# Altium PCB AX7021B.PcbDoc (part 5 of 6) (continued)
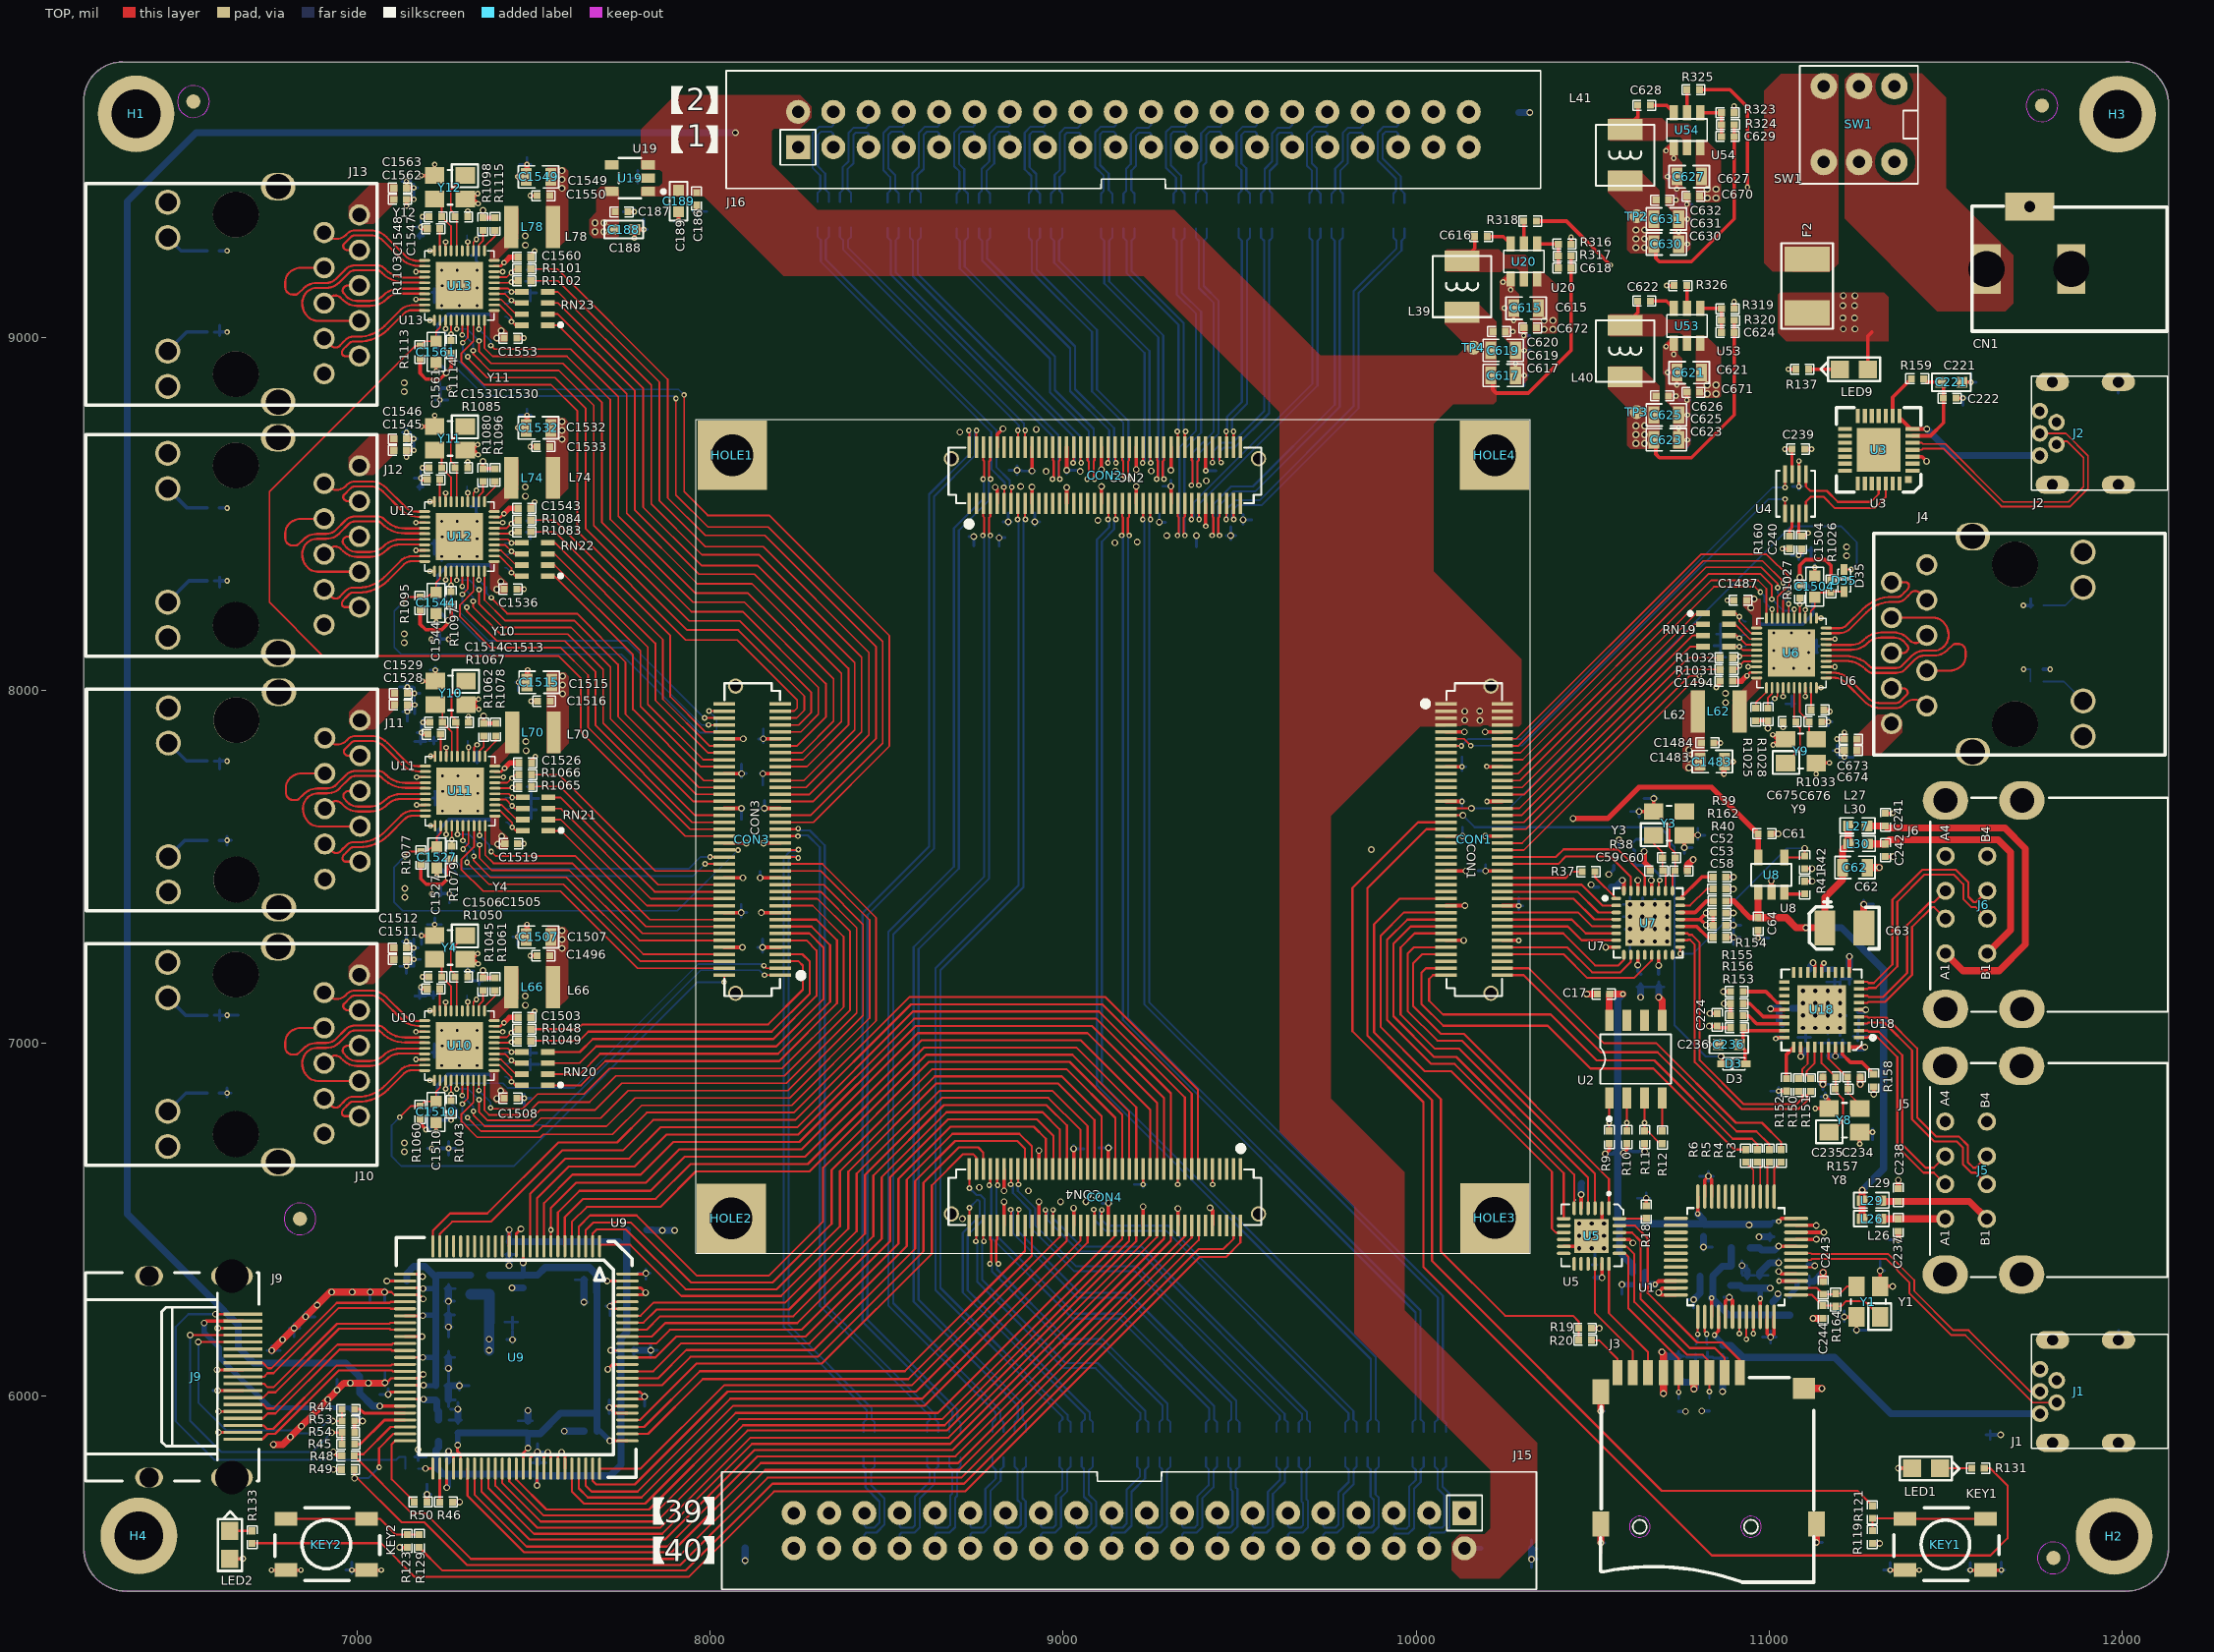
[diagram p0: TOP view]
## Nets (pads, with @x,y where several pads share a name; then routed paths per layer and width w, separated by ;. In a path a pad name is that pad's centre, name@x,y a point inside that pad or via, vN(x,y) a via of type N, cw(c..) or ccw(c..) an arc to the next point about the centre after c; other vN are vias at no path point) (continued)
PHY4_AVDD33: C1539.1 C1540.1 L75.2 U12.11 U12.40 | length 25.8
  TOP w7.5: v1(7206.18,8337.31) U12.11@7219.08,8337.31 ; v1(7206.18,8534.16) U12.40@7219.08,8534.16
PHY4_DVDDL: C1532.1 C1533.1 C1536.1 L74.2 L76.1 U12.21
  other v3: 7395.7,8285.88 7407.29,8308.1 7580.39,8710.97 7580.39,8735.97 7580.39,8760.97
PHY4_ENB_LDO: R1080.1 U12.32 | length 62.4
  TOP w5: U12.32@7345.06,8534.16 7345.06,8550.33 7356.55,8561.82 R1080.1@7356.55,8591.8
PHY4_ETH_RXD2: RN22.7 U12.23 | length 96
  TOP w5: U12.23@7388.37,8396.37 7408.21,8396.37 7449.82,8354.76 RN22.7@7467.12,8354.76
PHY4_INT_N: R1096.2 U12.31 | length 70
  TOP w5: U12.31@7360.81,8534.16 7360.81,8546.4 7390.68,8576.27 R1096.2@7390.68,8591.8
PHY4_IODVDD: C1541.1 C1542.1 L77.2 R1090.2 R1091.2 R1092.2 R1095.2 R1097.2 U12.28 | length 525.7
  TOP w5: U12.28@7388.37,8475.11 v1(7412.48,8475.11)
  TOP w10: R1095.2@7178.44,8228.76 7178.44,8187.24 7194.19,8171.49 7239.87,8171.49 7257.89,8189.51 v3(7257.89,8198.06) 7266.36,8206.53 R1097.2@7266.36,8243.74
  BOTTOM w10: v3(7257.89,8198.06) 7229.26,8226.69 7229.26,8326.07 7257.97,8354.78 7375.86,8354.78 R1092.2@7383.34,8347.3
PHY4_LED1: J12.14 R1081.1 U12.33 | length 1112.5
  TOP w5: U12.33@7329.32,8534.16 7329.32,8558.36 v1(7337.77,8566.81)
  SVCC w5: J12.14@6463.62,8150.03 6498.7,8150.03 6685.4,8336.73 6934.21,8336.73 6984.21,8386.73 7108.81,8386.73 7228.63,8506.55 7294.35,8506.55 7337.77,8549.97 v1(7337.77,8566.81)
  BOTTOM w5: v1(7337.77,8566.81) 7345.75,8574.79 R1081.1@7345.75,8583.19
PHY4_LED2: J12.11 R1082.1 U12.34 | length 998.3
  TOP w5: U12.34@7313.57,8534.16 v1(7313.57,8559.22)
  SVCC w5: J12.11@6463.62,8671.68 6598.35,8536.95 6932.96,8536.95 6979.1,8583.09 7057.91,8583.09 7082.51,8558.49 7214.91,8558.49 7237.14,8536.26 7290.61,8536.26 v1(7313.57,8559.22)
  BOTTOM w5: R1082.1@7311.35,8577.73 7311.35,8561.44 v1(7313.57,8559.22)
PHY4_MDC: CON3.74 U12.13 | length 1027
  TOP w5: v1(7250.58,8313.02) U12.13@7250.58,8337.31 ; v1(7995.84,7902.02) CON3.74@8039.68,7902.02
  BOTTOM w5: v1(7250.58,8313.02) 7250.58,8239.07 7368.88,8120.77 7757.22,8120.77 7975.97,7902.02 v1(7995.84,7902.02)
PHY4_MDI0_N: J12.P3 U12.2 | length 327.9
  TOP w6: 6960.65,8548.06 ccw(c6972.51,8548.06) 6964.13,8539.67 ccw(c6973.33,8548.87) 6973.32,8535.86 J12.P3@7006.53,8535.86 ; 6960.65,8548.08 cw(c6969.19,8548.08) 6963.15,8554.12 6981.47,8572.44 cw(c6994.63,8559.28) 6994.63,8577.89 7037.37,8577.89 cw(c7037.37,8526.61) 7073.63,8562.87 7125.72,8510.78 ccw(c7171.83,8556.89) 7171.83,8491.68 7190.69,8491.68 U12.2@7191.52,8490.85
PHY4_MDI0_P: J12.P2 U12.1 | length 328.8
  TOP w6: J12.P2@6906.53,8585.86 6913.15,8579.24 ccw(c6940.81,8606.9) 6968.47,8579.24 6971.57,8582.34 cw(c6994.63,8559.27) 6994.63,8591.89 7037.38,8591.89 cw(c7037.37,8526.61) 7083.53,8572.77 7135.62,8520.68 ccw(c7171.83,8556.89) 7171.83,8505.68 7190.6,8505.68 U12.1@7191.52,8506.6
PHY4_MDI1_N: J12.P7 U12.5 | length 591
  TOP w6: 6858.52,8418.24 cw(c6886.18,8388.81) 6886.18,8429.2 6913.14,8429.2 ccw(c6913.14,8480.41) 6949.35,8444.2 6976.71,8471.57 cw(c6993.47,8454.8) 6993.47,8478.51 ; 6858.53,8418.23 ccw(c6886.31,8388.92) 6857.64,8417.36 ccw(c6888.78,8386.22) 6844.73,8386.22 6844.73,8385.78 ccw(c6899.4,8385.78) 6860.74,8347.13 ccw(c6887.95,8374.34) 6887.95,8335.86 J12.P7@7006.53,8335.86 ; 6993.48,8478.51 7058.53,8478.51 cw(c7058.53,8466.7) 7066.88,8475.05 7070.54,8471.39 ccw(c7135.53,8536.38) 7135.53,8444.47 7190.66,8444.47 U12.5@7191.52,8443.61
PHY4_MDI1_P: J12.P4 U12.4 | length 591.2
  TOP w6: J12.P4@6906.53,8485.86 6841.78,8485.86 ccw(c6841.78,8437.11) 6807.31,8471.58 ccw(c6833.24,8445.65) 6796.57,8445.65 6796.57,8430.49 ccw(c6815.76,8430.49) 6802.19,8416.92 6802.76,8416.35 ccw(c6817.76,8431.36) 6817.76,8410.14 6825.92,8410.14 ccw(c6825.92,8419.09) 6832.25,8412.76 6848.93,8428.44 cw(c6886.18,8388.81) 6886.18,8443.2 6913.13,8443.2 ccw(c6913.14,8480.41) 6939.45,8454.1 6966.81,8481.47 cw(c6993.47,8454.8) 6993.47,8492.51 ; 6993.48,8492.51 7058.54,8492.51 cw(c7058.53,8466.7) 7076.78,8484.95 7080.44,8481.29 ccw(c7135.53,8536.38) 7135.53,8458.47 7190.63,8458.47 U12.4@7191.52,8459.36
PHY4_MDI2_N: J12.P6 U12.7 | length 311.4
  TOP w6: J12.P6@6906.53,8385.86 6921.2,8400.53 cw(c6937.65,8384.08) 6954.11,8400.53 6960.4,8394.24 ccw(c6999.73,8433.57) 6999.73,8377.95 7035.98,8377.95 ccw(c7035.98,8446.4) 7084.38,8398 cw(c7120.5,8361.88) 7120.5,8412.96 7190.67,8412.96 U12.7@7191.52,8412.11
PHY4_MDI2_P: J12.P5 U12.6 | length 310.8
  TOP w6: J12.P5@7006.53,8435.86 6974.02,8435.86 ccw(c6974.02,8421.52) 6963.87,8431.65 6962.5,8430.29 ccw(c6970.87,8421.92) 6961.79,8414.32 6970.3,8404.14 ccw(c6999.73,8433.57) 6999.73,8391.95 7035.97,8391.95 ; 7035.98,8391.95 ccw(c7035.98,8446.4) 7074.48,8407.9 cw(c7120.5,8361.88) 7120.5,8426.96 7190.62,8426.96 U12.6@7191.52,8427.86
PHY4_MDI3_N: J12.P9 U12.10 | length 336.1
  TOP w6: J12.P9@7006.53,8235.86 6965.83,8235.86 cw(c6965.83,8244.84) 6956.85,8244.84 cw(c6972.06,8244.87) 6961.1,8255.42 6969.58,8264.23 6977.89,8272.54 cw(c6988.3,8262.12) 6988.29,8276.85 7004.48,8276.85 ccw(c7004.48,8394.06) 7087.36,8311.18 7133.05,8356.87 cw(c7154.34,8335.58) 7154.34,8365.69 7190.7,8365.69 U12.10@7191.52,8364.87
PHY4_MDI3_P: J12.P8 U12.9 | length 336.7
  TOP w6: J12.P8@6906.53,8285.86 6927.44,8264.94 ccw(c6939.12,8276.62) 6951.02,8265.16 6959.49,8273.95 cw(c6973.76,8259.94) 6959.75,8274.21 6967.99,8282.45 cw(c6988.29,8262.12) 6988.28,8290.85 7004.49,8290.85 ccw(c7004.48,8394.06) 7077.46,8321.08 7123.15,8366.77 cw(c7154.34,8335.58) 7154.34,8379.69 7190.59,8379.69 U12.9@7191.52,8380.62
PHY4_MDIO: CON3.76 R1097.1 U12.14 | length 1016.9
  TOP w5: U12.14@7266.32,8337.31 v1(7266.32,8297.84) 7266.36,8297.8 R1097.1@7266.36,8279.74 ; v1(7984.13,7921.71) CON3.76@8039.68,7921.71
  BOTTOM w5: v1(7266.32,8297.84) 7266.32,8246.4 7372.26,8140.46 7765.38,8140.46 v1(7984.13,7921.71)
PHY4_REGOUT: L74.1 U12.30
PHY4_RESET: C1544.1 CON3.78 R1095.1 U12.12 | length 1428.9
  TOP w5: v1(7125.98,8245.51) 7145.23,8264.76 R1095.1@7178.44,8264.76 7200.36,8264.76 7213.48,8277.88 C1544.1@7223.95,8277.88 7223.95,8305.88 7234.83,8316.76 U12.12@7234.83,8337.31 ; v1(7996.81,7941.39) CON3.78@8039.68,7941.39
  BOTTOM w5: v1(7125.98,8245.51) 7105.36,8224.89 7105.36,8121.65 7124.53,8102.48 7749.01,8102.48 7971.49,7880 8009.71,7880 8018.3,7888.59 8018.3,7919.9 v1(7996.81,7941.39)
PHY4_RSET: R1085.2 U12.39 | length 62.6
  TOP w6: R1085.2@7234.45,8596.64 7234.57,8596.52 7234.57,8534.42 U12.39@7234.83,8534.16
PHY4_RXC_ADR1: R1084.1 R1093.2 U12.27 | length 99.3
  TOP w5: U12.27@7388.37,8459.36 7423.74,8459.36 v1(7436.58,8472.2) 7446.78,8482.4 R1084.1@7456.41,8482.4
  BOTTOM w5: v1(7436.58,8472.2) 7444.74,8480.36 R1093.2@7454.87,8480.36
PHY4_RXCK: CON3.72 R1084.2 | length 897.2
  TOP w5: R1084.2@7492.41,8482.4 7559.61,8482.4 7887.23,8154.78 7887.23,7981.79 7986.68,7882.34 CON3.72@8039.68,7882.34
PHY4_RXCTL: CON3.68 R1083.2 | length 897.4
  TOP w5: R1083.2@7492.41,8449.08 7561.01,8449.08 7866.07,8144.02 7866.07,7974.95 7998.05,7842.97 CON3.68@8039.68,7842.97
PHY4_RXCTL_ADR2: R1083.1 R1094.2 U12.26 | length 88.4
  TOP w5: U12.26@7388.37,8443.61 7435.45,8443.61 v1(7437.57,8445.73) 7440.92,8449.08 R1083.1@7456.41,8449.08
  BOTTOM w5: v1(7437.57,8445.73) 7439.56,8447.72 R1094.2@7454.87,8447.72
PHY4_RXD0: CON3.66 RN22.4 | length 840
  TOP w5: RN22.4@7540.27,8417.75 7560.41,8417.75 7844.91,8133.25 7844.91,7972.11 7993.7,7823.32 8039.64,7823.32 CON3.66@8039.68,7823.28
PHY4_RXD0_RXDLY: R1089.2 R1090.1 RN22.5 U12.25 | length 120.3
  TOP w5: U12.25@7388.37,8427.86 7427.47,8427.86 v1(7437.58,8417.75) RN22.5@7467.12,8417.75
  BOTTOM w5: R1090.1@7418.93,8417 7436.83,8417 v1(7437.58,8417.75) 7440.25,8415.08 R1089.2@7454.87,8415.08
PHY4_RXD1: CON3.64 RN22.3 | length 835.8
  TOP w5: RN22.3@7540.27,8386.25 7559.99,8386.25 7823.75,8122.49 7823.75,7960.27 7980.42,7803.6 CON3.64@8039.68,7803.6
PHY4_RXD1_TXDLY: R1088.2 R1091.1 RN22.6 U12.24 | length 134
  TOP w5: U12.24@7388.37,8412.11 7418.91,8412.11 v1(7437.31,8393.71) 7444.77,8386.25 RN22.6@7467.12,8386.25
  BOTTOM w5: R1091.1@7418.93,8384.18 7427.78,8384.18 v1(7437.31,8393.71) 7448.58,8382.44 R1088.2@7454.87,8382.44
PHY4_RXD2: CON3.62 RN22.2 | length 828
  TOP w5: RN22.2@7540.27,8354.76 7559.57,8354.76 7802.59,8111.74 7802.59,7954.43 7972.7,7784.32 8039.27,7784.32 CON3.62@8039.68,7783.91
PHY4_RXD3: CON3.58 RN22.1 | length 830
  TOP w5: RN22.1@7540.27,8323.26 7559.14,8323.26 7781.43,8100.97 7781.43,7945.77 7982.66,7744.54 CON3.58@8039.68,7744.54
PHY4_RXD3_ADR0: R1092.1 RN22.8 U12.22 | length 133.9
  TOP w5: U12.22@7388.37,8380.62 7402.97,8380.62 7437.44,8346.15 v1(7437.44,8333.3) 7447.48,8323.26 RN22.8@7467.12,8323.26
  BOTTOM w5: R1092.1@7419.34,8347.3 7423.44,8347.3 v1(7437.44,8333.3)
PHY4_TXCK: CON3.54 U12.20 | length 1074.7
  TOP w5: U12.20@7360.81,8337.31 7360.81,8256 7418.92,8197.89 7614.7,8197.89 7739.11,8073.48 7739.11,7926.1 7959.89,7705.32 8039.53,7705.32 CON3.54@8039.68,7705.17
PHY4_TXCTL: CON3.56 U12.19 | length 1057.9
  TOP w5: v1(7345.06,8312.81) U12.19@7345.06,8337.31 ; v1(7380.14,8262.52) 7425.23,8217.43 7622.8,8217.43 7760.27,8079.96 7760.27,7932.58 7967.99,7724.86 CON3.56@8039.68,7724.86
  BOTTOM w5: v1(7345.06,8312.81) 7366.03,8291.84 7366.03,8276.63 v1(7380.14,8262.52)
PHY4_TXD0: CON3.44 U12.18 | length 1228.4
  TOP w5: U12.18@7329.32,8337.31 7329.32,8279.88 7291.47,8242.03 7291.47,8208.75 7379.42,8120.8 7576.85,8120.8 7654.47,8043.18 7654.47,7895.36 7943.08,7606.75 CON3.44@8039.68,7606.75
PHY4_TXD1: CON3.46 U12.17 | length 1190.2
  TOP w5: v1(7298.15,8271.92) 7313.57,8287.34 U12.17@7313.57,8337.31 ; v1(7310.58,8235.08) 7310.58,8224.74 7395.78,8139.54 7588.51,8139.54 7675.63,8052.42 7675.63,7900.22 7949.42,7626.43 CON3.46@8039.68,7626.43
  BOTTOM w5: v1(7298.15,8271.92) 7298.15,8247.51 v1(7310.58,8235.08)
PHY4_TXD2: CON3.48 U12.16 | length 1158.3
  TOP w5: v1(7297.82,8294.54) U12.16@7297.82,8337.31 ; v1(7328.87,8252.38) 7328.87,8236.25 7405.89,8159.23 7596.67,8159.23 7696.79,8059.11 7696.79,7906.91 7957.58,7646.12 CON3.48@8039.68,7646.12
  BOTTOM w5: v1(7297.82,8294.54) 7328.87,8263.49 v1(7328.87,8252.38)
PHY4_TXD3: CON3.52 U12.15 | length 1151.4
  TOP w5: v1(7282.07,8312.16) U12.15@7282.07,8337.31 ; v1(7345.31,8284.93) 7345.31,8246.17 7413.42,8178.06 7606.48,8178.06 7717.95,8066.59 7717.95,7919.21 7951.67,7685.49 CON3.52@8039.68,7685.49
  BOTTOM w5: v1(7282.07,8312.16) 7318.08,8312.16 v1(7345.31,8284.93)
PHY5_ADVDDL: C1551.1 C1552.1 C1554.1 L80.2 U13.3 U13.8 U13.38 | length 74.4
  TOP w7.48: v1(7166.74,9107.36) U13.8@7191.52,9107.37 ; v1(7166.74,9186.1) U13.3@7191.52,9186.11 ; U13.38@7250.58,9245.16 v1(7250.57,9269.94)
PHY5_AVDD33: C1556.1 C1557.1 L79.2 U13.11 U13.40 | length 25.8
  TOP w7.5: v1(7206.18,9048.31) U13.11@7219.08,9048.31 ; v1(7206.18,9245.16) U13.40@7219.08,9245.16
PHY5_DVDDL: C1549.1 C1550.1 C1553.1 L78.2 L80.1 U13.21
  other v3: 7395.76,8997.85 7407.95,9019.04 7580.39,9421.97 7580.39,9446.97 7580.39,9471.97
PHY5_ENB_LDO: R1098.1 U13.32 | length 62.4
  TOP w5: U13.32@7345.06,9245.16 7345.06,9261.33 7356.55,9272.82 R1098.1@7356.55,9302.8
PHY5_ETH_RXD2: RN23.7 U13.23 | length 96
  TOP w5: U13.23@7388.37,9107.37 7408.21,9107.37 7449.82,9065.76 RN23.7@7467.12,9065.76
PHY5_INT_N: R1115.2 U13.31 | length 70
  TOP w5: U13.31@7360.81,9245.16 7360.81,9257.4 7390.68,9287.27 R1115.2@7390.68,9302.8
PHY5_IODVDD: C1558.1 C1559.1 L81.2 R1108.2 R1109.2 R1110.2 R1113.2 R1114.2 U13.28 | length 531.5
  TOP w5: U13.28@7388.37,9186.11 v1(7412.48,9186.11)
  TOP w10: R1113.2@7178.44,8939.76 7178.44,8898.24 7194.88,8881.8 7235.13,8881.8 v3(7252.59,8899.26) 7266.36,8913.03 R1114.2@7266.36,8954.74
  BOTTOM w10: v3(7252.59,8899.26) 7252.59,8905.88 7229.26,8929.21 7229.26,9037.07 7257.97,9065.78 7375.86,9065.78 R1110.2@7383.34,9058.3
PHY5_LED1: J13.14 R1099.1 U13.33 | length 1109.8
  TOP w5: U13.33@7329.32,9245.16 7329.32,9269.36 v1(7337.77,9277.81)
  SVCC w5: J13.14@6463.62,8861.03 6593.54,8990.95 6713.43,8990.95 6871.39,9148.91 6931.3,9148.91 6976.59,9194.2 7042.55,9194.2 7074.55,9226.2 7298.46,9226.2 7337.77,9265.51 v1(7337.77,9277.81)
  BOTTOM w5: v1(7337.77,9277.81) 7345.75,9285.79 R1099.1@7345.75,9294.19
PHY5_LED2: J13.11 R1100.1 U13.34 | length 978.1
  TOP w5: U13.34@7313.57,9245.16 v1(7313.57,9270.22)
  SVCC w5: J13.11@6463.62,9382.68 6581.87,9264.43 6642.84,9264.43 6659.39,9247.88 6934.03,9247.88 6978.83,9292.68 7291.11,9292.68 v1(7313.57,9270.22)
  BOTTOM w5: R1100.1@7311.35,9288.73 7311.35,9272.44 v1(7313.57,9270.22)
PHY5_MDC: CON3.47 U13.13 | length 2497.9
  TOP w5: v1(7250.58,9024.02) U13.13@7250.58,9048.31 ; v1(7903.23,8826.93) 7903.23,8553.71 7994.09,8462.85 8164.17,8462.85 8488.84,8138.18 8488.84,7850.88 8284.08,7646.12 CON3.47@8199.12,7646.12
  BOTTOM w5: v1(7250.58,9024.02) 7250.58,8944.61 7361.57,8833.62 7896.54,8833.62 v1(7903.23,8826.93)
PHY5_MDI0_N: J13.P3 U13.2 | length 327.9
  TOP w6: 6960.65,9259.06 ccw(c6972.51,9259.06) 6964.13,9250.67 ccw(c6973.33,9259.87) 6973.32,9246.86 J13.P3@7006.53,9246.86 ; 6960.65,9259.08 cw(c6969.19,9259.08) 6963.15,9265.12 6981.47,9283.44 cw(c6994.63,9270.28) 6994.63,9288.89 7037.37,9288.89 cw(c7037.37,9237.61) 7073.63,9273.87 7125.72,9221.78 ccw(c7171.83,9267.89) 7171.83,9202.68 7190.69,9202.68 U13.2@7191.52,9201.85
PHY5_MDI0_P: J13.P2 U13.1 | length 328.8
  TOP w6: J13.P2@6906.53,9296.86 6913.15,9290.24 ccw(c6940.81,9317.9) 6968.47,9290.24 6971.57,9293.34 cw(c6994.63,9270.27) 6994.63,9302.89 7037.38,9302.89 cw(c7037.37,9237.61) 7083.53,9283.77 7135.62,9231.68 ccw(c7171.83,9267.89) 7171.83,9216.68 7190.6,9216.68 U13.1@7191.52,9217.6
PHY5_MDI1_N: J13.P7 U13.5 | length 591
  TOP w6: 6858.52,9129.24 cw(c6886.18,9099.81) 6886.18,9140.2 6913.14,9140.2 ccw(c6913.14,9191.41) 6949.35,9155.2 6976.71,9182.57 cw(c6993.47,9165.8) 6993.47,9189.51 ; 6858.53,9129.23 ccw(c6886.31,9099.92) 6857.64,9128.36 ccw(c6888.78,9097.22) 6844.73,9097.22 6844.73,9096.78 ccw(c6899.4,9096.78) 6860.74,9058.13 ccw(c6887.95,9085.34) 6887.95,9046.86 J13.P7@7006.53,9046.86 ; 6993.48,9189.51 7058.53,9189.51 cw(c7058.53,9177.7) 7066.88,9186.05 7070.54,9182.39 ccw(c7135.53,9247.38) 7135.53,9155.47 7190.66,9155.47 U13.5@7191.52,9154.61
PHY5_MDI1_P: J13.P4 U13.4 | length 591.2
  TOP w6: J13.P4@6906.53,9196.86 6841.78,9196.86 ccw(c6841.78,9148.11) 6807.31,9182.58 ccw(c6833.24,9156.65) 6796.57,9156.65 6796.57,9141.49 ccw(c6815.76,9141.49) 6802.19,9127.92 6802.76,9127.35 ccw(c6817.76,9142.36) 6817.76,9121.14 6825.92,9121.14 ccw(c6825.92,9130.09) 6832.25,9123.76 6848.93,9139.44 cw(c6886.18,9099.81) 6886.18,9154.2 6913.13,9154.2 ccw(c6913.14,9191.41) 6939.45,9165.1 6966.81,9192.47 cw(c6993.47,9165.8) 6993.47,9203.51 ; 6993.48,9203.51 7058.54,9203.51 cw(c7058.53,9177.7) 7076.78,9195.95 7080.44,9192.29 ccw(c7135.53,9247.38) 7135.53,9169.47 7190.63,9169.47 U13.4@7191.52,9170.36
PHY5_MDI2_N: J13.P6 U13.7 | length 311.4
  TOP w6: J13.P6@6906.53,9096.86 6921.2,9111.53 cw(c6937.65,9095.08) 6954.11,9111.53 6960.4,9105.24 ccw(c6999.73,9144.57) 6999.73,9088.95 7035.98,9088.95 ccw(c7035.98,9157.4) 7084.38,9109 cw(c7120.5,9072.88) 7120.5,9123.96 7190.67,9123.96 U13.7@7191.52,9123.11
PHY5_MDI2_P: J13.P5 U13.6 | length 310.8
  TOP w6: J13.P5@7006.53,9146.86 6974.02,9146.86 ccw(c6974.02,9132.52) 6963.87,9142.65 6962.5,9141.29 ccw(c6970.87,9132.92) 6961.79,9125.32 6970.3,9115.14 ccw(c6999.73,9144.57) 6999.73,9102.95 7035.97,9102.95 ; 7035.98,9102.95 ccw(c7035.98,9157.4) 7074.48,9118.9 cw(c7120.5,9072.88) 7120.5,9137.96 7190.62,9137.96 U13.6@7191.52,9138.86
PHY5_MDI3_N: J13.P9 U13.10 | length 336.1
  TOP w6: J13.P9@7006.53,8946.86 6965.83,8946.86 cw(c6965.83,8955.84) 6956.85,8955.84 cw(c6972.06,8955.87) 6961.1,8966.42 6969.58,8975.23 6977.89,8983.54 cw(c6988.3,8973.12) 6988.29,8987.85 7004.48,8987.85 ccw(c7004.48,9105.06) 7087.36,9022.18 7133.05,9067.87 cw(c7154.34,9046.58) 7154.34,9076.69 7190.7,9076.69 U13.10@7191.52,9075.87
PHY5_MDI3_P: J13.P8 U13.9 | length 336.7
  TOP w6: J13.P8@6906.53,8996.86 6927.44,8975.94 ccw(c6939.12,8987.62) 6951.02,8976.16 6959.49,8984.95 cw(c6973.76,8970.94) 6959.75,8985.21 6967.99,8993.45 cw(c6988.29,8973.12) 6988.28,9001.85 7004.49,9001.85 ccw(c7004.48,9105.06) 7077.46,9032.08 7123.15,9077.77 cw(c7154.34,9046.58) 7154.34,9090.69 7190.59,9090.69 U13.9@7191.52,9091.62
PHY5_MDIO: CON3.45 R1114.1 U13.14 | length 2557.1
  TOP w5: U13.14@7266.32,9048.31 v1(7266.32,9008.84) 7266.36,9008.8 R1114.1@7266.36,8990.74 ; v1(7926.45,8836.83) 7926.45,8562.41 7993.1,8495.76 8167.26,8495.76 8507.84,8155.18 8507.84,7841.88 8292.39,7626.43 CON3.45@8199.12,7626.43
  BOTTOM w5: v1(7266.32,9008.84) 7266.32,8953.63 7367.28,8852.67 7910.61,8852.67 v1(7926.45,8836.83)
PHY5_REGOUT: L78.1 U13.30
PHY5_RESET: C1561.1 CON3.42 R1113.1 U13.12 | length 2676.9
  TOP w5: U13.12@7234.83,9048.31 7234.83,9027.76 7223.95,9016.88 C1561.1@7223.95,8988.88 7191.56,8988.88 R1113.1@7178.44,8975.76 7165.05,8975.76 6751.76,8562.47 6751.76,8249.67 6904.21,8097.22 7571.73,8097.22 7633.31,8035.64 7633.31,7883.74 7929.99,7587.06 CON3.42@8039.68,7587.06
PHY5_RSET: R1103.2 U13.39 | length 62.6
  TOP w6: R1103.2@7234.45,9307.64 7234.57,9307.52 7234.57,9245.42 U13.39@7234.83,9245.16
PHY5_RXC_ADR1: R1101.1 R1111.2 U13.27 | length 99.3
  TOP w5: U13.27@7388.37,9170.36 7423.74,9170.36 v1(7436.58,9183.2) 7446.78,9193.4 R1101.1@7456.41,9193.4
  BOTTOM w5: v1(7436.58,9183.2) 7444.74,9191.36 R1111.2@7454.87,9191.36
PHY5_RXCK: CON3.51 R1101.2 | length 2222.5
  TOP w5: R1101.2@7492.41,9193.4 7567.32,9193.4 7879.97,8880.75 7879.97,8545.05 7986.17,8438.85 8155.17,8438.85 8469.84,8124.18 8469.84,7862.88 8292.45,7685.49 CON3.51@8199.12,7685.49
PHY5_RXCTL: CON3.53 R1102.2 | length 2144.4
  TOP w5: R1102.2@7492.41,9160.08 7569.2,9160.08 7856.71,8872.57 7856.71,8536.39 7986.25,8406.85 8150.17,8406.85 8449.84,8107.18 8449.84,7873.88 8281.13,7705.17 CON3.53@8199.12,7705.17
PHY5_RXCTL_ADR2: R1102.1 R1112.2 U13.26 | length 88.4
  TOP w5: U13.26@7388.37,9154.61 7435.45,9154.61 v1(7437.57,9156.73) 7440.92,9160.08 R1102.1@7456.41,9160.08
  BOTTOM w5: v1(7437.57,9156.73) 7439.56,9158.72 R1112.2@7454.87,9158.72
PHY5_RXD0: CON3.55 RN23.4 | length 2021.7
  TOP w5: RN23.4@7540.27,9128.75 7569.11,9128.75 7833.45,8864.41 7833.45,8527.75 7977.35,8383.85 8139.17,8383.85 8429.29,8093.73 8429.29,7882.33 8271.82,7724.86 CON3.55@8199.12,7724.86
PHY5_RXD0_RXDLY: R1106.2 R1109.1 RN23.5 U13.25 | length 120.3
  TOP w5: U13.25@7388.37,9138.86 7427.47,9138.86 v1(7437.58,9128.75) RN23.5@7467.12,9128.75
  BOTTOM w5: R1109.1@7418.93,9128 7436.83,9128 v1(7437.58,9128.75) 7440.25,9126.08 R1106.2@7454.87,9126.08
PHY5_RXD1: CON3.57 RN23.3 | length 1948.6
  TOP w5: RN23.3@7540.27,9097.25 7569.17,9097.25 7810.19,8856.23 7810.19,8519.09 7975.43,8353.85 8134.17,8353.85 8409.34,8078.68 8409.34,7888.38 8265.5,7744.54 CON3.57@8199.12,7744.54
PHY5_RXD1_TXDLY: R1107.2 R1108.1 RN23.6 U13.24 | length 134
  TOP w5: U13.24@7388.37,9123.11 7418.91,9123.11 v1(7437.31,9104.71) 7444.77,9097.25 RN23.6@7467.12,9097.25
  BOTTOM w5: R1108.1@7418.93,9095.18 7427.78,9095.18 v1(7437.31,9104.71) 7448.58,9093.44 R1107.2@7454.87,9093.44
PHY5_RXD2: CON3.61 RN23.2 | length 1866.9
  TOP w5: RN23.2@7540.27,9065.76 7569.21,9065.76 7786.93,8848.04 7786.93,8510.42 7968.5,8328.85 8125.17,8328.85 8391.84,8062.18 8391.84,7901.88 8273.87,7783.91 CON3.61@8199.12,7783.91
PHY5_RXD3: CON3.63 RN23.1 | length 1791.9
  TOP w5: RN23.1@7540.27,9034.26 7569.28,9034.26 7763.67,8839.87 7763.67,8501.77 7963.59,8301.85 8118.17,8301.85 8371.84,8048.18 8371.84,7911.88 8263.56,7803.6 CON3.63@8199.12,7803.6
PHY5_RXD3_ADR0: R1110.1 RN23.8 U13.22 | length 133.9
  TOP w5: U13.22@7388.37,9091.62 7402.97,9091.62 7437.44,9057.15 v1(7437.44,9044.3) 7447.48,9034.26 RN23.8@7467.12,9034.26
  BOTTOM w5: R1110.1@7419.34,9058.3 7423.44,9058.3 v1(7437.44,9044.3)
PHY5_TXCK: CON3.67 U13.20 | length 1895.8
  TOP w5: U13.20@7360.81,9048.31 7360.81,8969.12 7383.59,8946.34 7594.32,8946.34 7717.15,8823.51 7717.15,8484.45 7951.75,8249.85 8097.17,8249.85 8327.84,8019.18 8327.84,7923.88 8246.93,7842.97 CON3.67@8199.12,7842.97
PHY5_TXCTL: CON3.65 U13.19 | length 1953.2
  TOP w5: v1(7345.06,9022.85) U13.19@7345.06,9048.31 ; v1(7379.13,8976.54) 7389.18,8966.49 7605.6,8966.49 7740.41,8831.68 7740.41,8493.1 7957.66,8275.85 8106.17,8275.85 8349.84,8032.18 8349.84,7912.88 8260.24,7823.28 CON3.65@8199.12,7823.28
  BOTTOM w5: v1(7345.06,9022.85) 7379.13,8988.78 v1(7379.13,8976.54)
PHY5_TXD0: CON3.77 U13.18 | length 1753.7
  TOP w5: U13.18@7329.32,9048.31 7329.32,8988.71 7295.71,8955.1 7295.71,8930.46 7360.43,8865.74 7549.16,8865.74 7624.11,8790.79 7624.11,8449.82 7931.08,8142.85 8077.17,8142.85 8246.84,7973.18 8246.84,7949.88 8238.35,7941.39 CON3.77@8199.12,7941.39
PHY5_TXD1: CON3.75 U13.17 | length 1785.4
  TOP w5: v1(7299.24,8984.83) 7313.57,8999.16 U13.17@7313.57,9048.31 ; v1(7313.19,8945.09) 7313.19,8941.53 7368.83,8885.89 7560.45,8885.89 7647.37,8798.97 7647.37,8458.47 7934.99,8170.85 8080.17,8170.85 8266.84,7984.18 8266.84,7943.88 8244.67,7921.71 CON3.75@8199.12,7921.71
  BOTTOM w5: v1(7299.24,8984.83) 7299.24,8959.04 v1(7313.19,8945.09)
PHY5_TXD2: CON3.73 U13.16 | length 1824.5
  TOP w5: v1(7297.77,9006.94) 7297.82,9006.99 U13.16@7297.82,9048.31 ; v1(7329.07,8962.47) 7329.07,8952.23 7375.26,8906.04 7571.75,8906.04 7670.63,8807.16 7670.63,8467.12 7940.9,8196.85 8084.17,8196.85 8286.84,7994.18 8286.84,7937.88 8250.98,7902.02 CON3.73@8199.12,7902.02
  BOTTOM w5: v1(7297.77,9006.94) 7302.41,9006.94 7329.07,8980.28 v1(7329.07,8962.47)
PHY5_TXD3: CON3.71 U13.15 | length 1890.7
  TOP w5: v1(7282.07,9023.6) U13.15@7282.07,9048.31 ; v1(7345.31,8989.92) 7345.31,8960.52 7379.64,8926.19 7583.03,8926.19 7693.89,8815.33 7693.89,8475.79 7946.83,8222.85 8092.17,8222.85 8306.84,8008.18 8306.84,7931.88 8257.3,7882.34 CON3.71@8199.12,7882.34
  BOTTOM w5: v1(7282.07,9023.6) 7311.63,9023.6 v1(7345.31,8989.92)
PL_KEY: CON4.4 R129.2 | length 2761.4
  TOP w6: R129.2@7175.83,5572.4 7241.46,5506.77 7930.15,5506.77 8176.26,5752.88 8719.26,5752.88 9383.7,6417.32 9453.7,6417.32 9482.57,6446.19 CON4.4@9482.57,6484.5
PL_LED: CON4.2 R133.1 | length 3280.3
  TOP w6: R133.1@6702.8,5583.39 6703.81,5584.4 7067.58,5584.4 7163.21,5488.77 7939.15,5488.77 8181.26,5730.88 8722.26,5730.88 9386.7,6395.32 9461.58,6395.32 9502.26,6436 CON4.2@9502.26,6484.5
PS_KEY: CON1.37 R121.2 | length 2958.7
  TOP w6: CON1.37@10084.68,7606.75 10028.97,7606.75 9861.84,7439.62 9861.84,7022.05 10044.93,6838.96 10044.93,6383.8 10695.88,5732.85 11250.09,5732.85 R121.2@11292.62,5690.32
PS_LED: CON1.35 R131.1 | length 3747.5
  TOP w6: CON1.35@10084.68,7626.43 10005.55,7626.43 9819.7,7440.58 9819.7,7034.32 10020.44,6833.58 10020.44,6366.93 10837.6,5549.77 11626.93,5549.77 11675.15,5597.99 11675.15,5747.84 11626.33,5796.66 R131.1@11609.69,5796.66
RGMII_VCC: C187.1 C188.1 L69.1 L73.1 L77.1 L81.1 U19.5
  other v3: 7476.8,7108.19 7476.28,7134.2 7478.79,7829.2 7478.27,7855.21 7476.79,8550.2 7476.27,8576.21 7476.79,9261.2 7476.27,9287.21 7674.31,9299.28 7699.31,9299.28 7674.31,9324.28 7699.31,9324.28
SD_CD: CON1.57 R19.1 R20.2 | length 1765.4
  TOP w6: CON1.57@10084.68,7409.9 9953.12,7409.9 9880.84,7337.62 9880.84,7031.05 10070.01,6841.88 10070.01,6410.49 10252.09,6228.41 10444.68,6228.41 10460.6,6212.49 R19.1@10460.6,6193.03 R20.2@10460.6,6158.98
SD_CLK: CON1.61 U5.9 | length 1324.7
  TOP w6: CON1.61@10084.68,7370.53 9964.75,7370.53 9899.84,7305.62 9899.84,7046.05 10025.04,6920.85 10100.04,6920.85 10384.7,6636.19 10384.7,6475.53 10396.04,6464.19 U5.9@10418.13,6464.19
SD_CMD: CON1.67 U5.4 | length 1144.3
  TOP w6: CON1.67@10084.68,7311.47 9995.69,7311.47 9955.84,7271.62 9955.84,7082.05 10053.04,6984.85 10122.04,6984.85 10487.03,6619.86 U5.4@10487.03,6533.09
SD_D0: CON1.65 U5.6 | length 1167.4
  TOP w6: CON1.65@10084.68,7331.16 9984.38,7331.16 9935.84,7282.62 9935.84,7077.05 10051.04,6961.85 10114.04,6961.85 10447.66,6628.23 U5.6@10447.66,6533.09
SD_D1: CON1.63 U5.7 | length 1226.5
  TOP w6: CON1.63@10084.68,7350.84 9975.06,7350.84 9917.84,7293.62 9917.84,7067.05 10043.04,6941.85 10109.04,6941.85 10418.04,6632.85 10418.04,6503.65 U5.7@10418.13,6503.56
SD_D2: CON1.73 U5.1 | length 1065.2
  TOP w6: CON1.73@10084.68,7252.42 10016.84,7252.42 9991.84,7227.42 9991.84,7105.05 10070.04,7026.85 10135.04,7026.85 10546.08,6615.81 U5.1@10546.08,6533.09
SD_D3: CON1.71 U5.3 | length 1097.6
  TOP w6: CON1.71@10084.68,7272.1 9993.84,7272.1 9975.84,7254.1 9975.84,7092.05 10060.04,7007.85 10129.04,7007.85 10506.71,6630.18 U5.3@10506.71,6533.09
TX_0N: J9.9 U9.33 | length 538.6
  TOP w6: J9.9@6677.23,6036.03 6736.23,6036.03 6746.41,6025.85 6763.24,6025.85 6943.24,6205.85 7091.9,6205.85 7094.93,6208.88 U9.33@7135.84,6208.88
TX_0P: J9.7 U9.34 | length 540.6
  TOP w6: J9.7@6677.23,5996.66 6733.5,5996.66 6748.69,6011.85 6769.04,6011.85 6949.04,6191.85 7092.28,6191.85 7094.93,6189.2 U9.34@7135.84,6189.2
TX_1N: J9.6 U9.36 | length 539.4
  TOP w6: J9.6@6677.23,5976.97 6733.92,5976.97 6745.04,5965.85 6763.24,5965.85 6944.24,6146.85 7098.32,6146.85 7101.3,6149.83 U9.36@7135.84,6149.83
TX_1P: J9.4 U9.37 | length 540.6
  TOP w6: J9.4@6677.23,5937.6 6732.94,5937.6 6747.19,5951.85 6769.04,5951.85 6950.04,6132.85 7095.52,6132.85 7098.23,6130.14 U9.37@7135.84,6130.14
TX_2N: J9.3 U9.39 | length 538.6
  TOP w6: J9.3@6677.23,5917.92 6734.99,5917.92 6745.04,5907.85 6762.24,5907.85 6942.24,6087.85 7096.37,6087.85 7099.3,6090.78 U9.39@7135.84,6090.78
TX_2P: J9.1 U9.40 | length 540.6
  TOP w6: J9.1@6677.23,5878.55 6731.89,5878.55 6747.19,5893.85 6768.04,5893.85 6948.04,6073.85 7097.59,6073.85 7100.35,6071.09 U9.40@7135.84,6071.09
TX_CN: J9.12 U9.30 | length 542.8
  TOP w6: J9.12@6677.23,6095.08 6732.92,6095.08 6748.15,6079.85 6757.24,6079.85 6942.24,6264.85 7091.85,6264.85 7094.94,6267.94 U9.30@7135.84,6267.94
TX_CP: J9.10 U9.31 | length 540.5
  TOP w6: J9.10@6677.23,6055.71 6736.3,6055.71 6746.43,6065.85 6763.04,6065.85 6948.04,6250.85 7092.33,6250.85 7094.93,6248.25 U9.31@7135.84,6248.25
UART_RX: CON1.11 U4.5 | length 1298.2
  TOP w5: CON1.11@10084.68,7862.65 10135.57,7862.65 v1(10154.74,7843.48) ; U4.5@11045.16,8501.24 v1(11045.16,8541.75)
  BOTTOM w5: v1(10154.74,7843.48) 10300.24,7843.48 10998.51,8541.75 v1(11045.16,8541.75)
UART_TX: CON1.13 U4.4 | length 1301.1
  TOP w5: CON1.13@10084.68,7842.97 v1(10128.19,7842.97)
  TOP w6: v1(11045.16,8575.09) U4.4@11045.16,8612.46
  BOTTOM w5: v1(10128.19,7842.97) 10147.59,7862.37 10297.63,7862.37 11010.35,8575.09 v1(11045.16,8575.09)
USB2_5V: C62.1 C63.1 C64.1 L26.2 L27.2 L29.2 L30.2 R40.1 U8.1 | length 1702.1
  TOP w15: R40.1@10877.28,7403.01 10899.77,7403.01 10946.78,7356 C64.1@10968.7,7356
  TOP w20: U8.1@10968.78,7428.26 10968.7,7428.18 C64.1@10968.7,7356 11048.45,7356 11076.6,7327.85 v2(11104.04,7327.85) 11156.92,7327.85 C63.1@11157.92,7326.85 11157.92,7413.24 11208.11,7463.43 C62.1@11208.11,7498.04 11208.11,7548.65 L30.2@11224.74,7565.28 11223.71,7566.31 L27.2@11223.71,7615.77 ; L26.2@11263.32,6502.7 L29.2@11263.32,6554.7 11263.32,6583.97 v2(11263.55,6584.2)
  BOTTOM w20: v2(11104.04,7327.85) 11204.98,7327.85 11324.04,7208.79 11324.04,6644.69 v2(11263.55,6584.2)
USB_5V: C1.1 C2.1 J1.1 U1.40 | length 1074.6
  TOP w10: v1(10845.04,6173.85) 10856.83,6185.64 U1.40@10856.83,6225.5
  BOTTOM w15: v1(10845.04,6173.85) 10868.04,6150.85 C1.1@10868.04,6144.85
  BOTTOM w20: C1.1@10868.04,6144.85 10891.6,6144.85 10925.82,6110.63 11185.81,6110.63 11345.12,5951.32 C2.1@11626.26,5951.32 11767.13,5951.32 J1.1@11767.3,5951.15
USB_DM: R150.2 U18.30 | length 100.2
  TOP w5: R150.2@11083.4,6899.98 11093.5,6910.08 11093.5,6926.36 11109.17,6942.03 U18.30@11109.17,6989.54
USB_DP: R151.2 U18.31 | length 103.6
  TOP w5: R151.2@11117.35,6899.98 11106.19,6911.14 11106.19,6921.1 11128.85,6943.76 U18.31@11128.85,6989.54
USB_VBUS: R40.2 U7.22 | length 106.6
  TOP w10: U7.22@10747.97,7370.86 10790.15,7370.86 10822.3,7403.01 R40.2@10841.28,7403.01
VBUS1: C237.1 J5.A1 L26.1 | length 181.6
  TOP w20: L26.1@11317.32,6502.7 11317.82,6503.2 C237.1@11366.1,6503.2 11498.54,6503.2 J5.A1@11498.69,6503.05
VBUS2: C238.1 J5.B1 L29.1 | length 320.9
  TOP w20: L29.1@11317.32,6554.7 11319.25,6552.77 C238.1@11366.1,6552.77 11567.08,6552.77 J5.B1@11616.8,6503.05
VBUS3: C241.1 J6.A1 L27.1 | length 1024.1
  TOP w20: L27.1@11277.71,7615.77 11277.76,7615.72 C241.1@11329.3,7615.72 11335.17,7609.85 11668.04,7609.85 11726.04,7551.85 11726.04,7280.05 11651.84,7205.85 11548.89,7205.85 J6.A1@11499.69,7255.05

## Text inside footprints (layer, text, board x,y; h text height)
J15: PIN_NUMBER "3" at 10027.04,5669.85 h25 r180; PIN_NUMBER "5" at 9927.04,5669.85 h25 r180; PIN_NUMBER "7" at 9827.04,5669.85 h25 r180; PIN_NUMBER "9" at 9727.04,5669.85 h25 r180; PIN_NUMBER "11" at 9617.04,5669.85 h25 r180; PIN_NUMBER "13" at 9517.04,5669.85 h25 r180; PIN_NUMBER "15" at 9417.04,5669.85 h25 r180; PIN_NUMBER "17" at 9317.04,5669.85 h25 r180; PIN_NUMBER "19" at 9217.04,5669.85 h25 r180; PIN_NUMBER "21" at 9117.04,5669.85 h25 r180; PIN_NUMBER "23" at 9017.04,5669.85 h25 r180; PIN_NUMBER "25" at 8917.04,5669.85 h25 r180; PIN_NUMBER "27" at 8817.04,5669.85 h25 r180; PIN_NUMBER "29" at 8717.04,5669.85 h25 r180; PIN_NUMBER "31" at 8617.04,5669.85 h25 r180; PIN_NUMBER "33" at 8517.04,5669.85 h25 r180; PIN_NUMBER "35" at 8417.04,5669.85 h25 r180; PIN_NUMBER "4" at 10027.04,5569.85 h25 r180; PIN_NUMBER "6" at 9927.04,5569.85 h25 r180; PIN_NUMBER "8" at 9827.04,5569.85 h25 r180; PIN_NUMBER "10" at 9717.04,5569.85 h25 r180; PIN_NUMBER "12" at 9617.04,5569.85 h25 r180; PIN_NUMBER "14" at 9517.04,5569.85 h25 r180; PIN_NUMBER "16" at 9417.04,5569.85 h25 r180; PIN_NUMBER "18" at 9317.04,5569.85 h25 r180; PIN_NUMBER "20" at 9217.04,5569.85 h25 r180; PIN_NUMBER "22" at 9117.04,5569.85 h25 r180; PIN_NUMBER "24" at 9017.04,5569.85 h25 r180; PIN_NUMBER "26" at 8917.04,5569.85 h25 r180; PIN_NUMBER "28" at 8817.04,5569.85 h25 r180; PIN_NUMBER "30" at 8717.04,5569.85 h25 r180; PIN_NUMBER "32" at 8617.04,5569.85 h25 r180; PIN_NUMBER "36" at 8417.04,5569.85 h25 r180; PIN_NUMBER "34" at 8517.04,5569.85 h25 r180; PIN_NUMBER "1" at 10127.04,5669.85 h25 r180; PIN_NUMBER "37" at 8317.04,5669.85 h25 r180; PIN_NUMBER "38" at 8317.04,5569.85 h25 r180; PIN_NUMBER "39" at 8217.04,5669.85 h25 r180; PIN_NUMBER "40" at 8217.04,5569.85 h25 r180; PIN_NUMBER "2" at 10127.04,5569.85 h25 r180
J16: PIN_NUMBER "37" at 10029.04,9538.35 h25; PIN_NUMBER "1" at 8239.04,9538.35 h25; PIN_NUMBER "38" at 10029.04,9638.35 h25; PIN_NUMBER "3" at 8339.04,9538.35 h25; PIN_NUMBER "5" at 8439.04,9538.35 h25; PIN_NUMBER "7" at 8539.04,9538.35 h25; PIN_NUMBER "9" at 8639.04,9538.35 h25; PIN_NUMBER "11" at 8729.04,9538.35 h25; PIN_NUMBER "13" at 8829.04,9538.35 h25; PIN_NUMBER "15" at 8929.04,9538.35 h25; PIN_NUMBER "17" at 9029.04,9538.35 h25; PIN_NUMBER "19" at 9129.04,9538.35 h25; PIN_NUMBER "21" at 9229.04,9538.35 h25; PIN_NUMBER "23" at 9329.04,9538.35 h25; PIN_NUMBER "25" at 9429.04,9538.35 h25; PIN_NUMBER "27" at 9529.04,9538.35 h25; PIN_NUMBER "29" at 9629.04,9538.35 h25; PIN_NUMBER "31" at 9729.04,9538.35 h25; PIN_NUMBER "33" at 9829.04,9538.35 h25; PIN_NUMBER "35" at 9929.04,9538.35 h25; PIN_NUMBER "4" at 8339.04,9638.35 h25; PIN_NUMBER "6" at 8439.04,9638.35 h25; PIN_NUMBER "8" at 8539.04,9638.35 h25; PIN_NUMBER "10" at 8629.04,9638.35 h25; PIN_NUMBER "12" at 8729.04,9638.35 h25; PIN_NUMBER "14" at 8829.04,9638.35 h25; PIN_NUMBER "16" at 8929.04,9638.35 h25; PIN_NUMBER "18" at 9029.04,9638.35 h25; PIN_NUMBER "20" at 9129.04,9638.35 h25; PIN_NUMBER "22" at 9229.04,9638.35 h25; PIN_NUMBER "24" at 9329.04,9638.35 h25; PIN_NUMBER "26" at 9429.04,9638.35 h25; PIN_NUMBER "28" at 9529.04,9638.35 h25; PIN_NUMBER "30" at 9629.04,9638.35 h25; PIN_NUMBER "32" at 9729.04,9638.35 h25; PIN_NUMBER "34" at 9829.04,9638.35 h25; PIN_NUMBER "36" at 9929.04,9638.35 h25; PIN_NUMBER "39" at 10129.04,9538.35 h25; PIN_NUMBER "40" at 10129.04,9638.35 h25; PIN_NUMBER "2" at 8239.04,9638.35 h25
KEY1: PIN_NUMBER "1" at 11603.5,5508.05 h25 r180; PIN_NUMBER "2" at 11375.16,5508.05 h25 r180; PIN_NUMBER "3" at 11603.5,5653.71 h25 r180; PIN_NUMBER "4" at 11375.16,5653.71 h25 r180
KEY2: PIN_NUMBER "1" at 7017.03,5508.05 h25 r180; PIN_NUMBER "2" at 6788.69,5508.05 h25 r180; PIN_NUMBER "4" at 6788.69,5653.71 h25 r180; PIN_NUMBER "3" at 7017.03,5653.71 h25 r180
L1: PIN_NUMBER "2" at 10936.54,6420.85 h25 r180; PIN_NUMBER "1" at 10882.54,6420.85 h25 r180
L2: PIN_NUMBER "2" at 11048.04,6284.35 h25 r270; PIN_NUMBER "1" at 11048.04,6230.35 h25 r270
L3: PIN_NUMBER "2" at 10881.04,6314.35 h25 r90; PIN_NUMBER "1" at 10881.04,6368.35 h25 r90
L7: PIN_NUMBER "2" at 7756.3,6471.46 h25; PIN_NUMBER "1" at 7810.3,6471.46 h25
L8: PIN_NUMBER "1" at 7364.8,6342.96 h25 r90; PIN_NUMBER "2" at 7364.8,6288.96 h25 r90
L9: PIN_NUMBER "1" at 7312.04,6343.35 h25 r90; PIN_NUMBER "2" at 7312.04,6289.35 h25 r90
L26: PIN_NUMBER "2" at 11253.32,6502.7 h25 r180; PIN_NUMBER "1" at 11307.32,6502.7 h25 r180
L27: PIN_NUMBER "2" at 11213.71,7615.77 h25 r180; PIN_NUMBER "1" at 11267.71,7615.77 h25 r180
L29: PIN_NUMBER "2" at 11253.32,6554.7 h25 r180; PIN_NUMBER "1" at 11307.32,6554.7 h25 r180
L30: PIN_NUMBER "2" at 11214.74,7565.28 h25 r180; PIN_NUMBER "1" at 11268.74,7565.28 h25 r180
L39: PIN_NUMBER "2" at 10117.33,9070.79 h32; PIN_NUMBER "1" at 10117.33,9216.47 h32; ASSEMBLY_TOP "CMLB041B-4R7MS" at 10042.33,9127.09 h35
L40: PIN_NUMBER "2" at 10579.37,8888.25 h32; PIN_NUMBER "1" at 10579.37,9033.93 h32; ASSEMBLY_TOP "CMLB041B-4R7MS" at 10504.37,8944.55 h35
L41: PIN_NUMBER "2" at 10579.37,9443 h32; PIN_NUMBER "1" at 10579.37,9588.68 h32; ASSEMBLY_TOP "CMLB041B-4R7MS" at 10504.37,9499.3 h35
L62: PIN_NUMBER "1" at 10905.93,7940.11 h25 r90; PIN_NUMBER "2" at 10787.81,7940.11 h25 r90
L63: PIN_NUMBER "1" at 11181.75,8312.29 h25 r90; PIN_NUMBER "2" at 11181.75,8258.29 h25 r90
L64: PIN_NUMBER "2" at 11101.83,7912.33 h25 r270; PIN_NUMBER "1" at 11101.83,7858.33 h25 r270
L65: PIN_NUMBER "1" at 10898,7978.04 h25 r180; PIN_NUMBER "2" at 10952,7978.04 h25 r180
L66: PIN_NUMBER "2" at 7545.28,7159.58 h25 r270; PIN_NUMBER "1" at 7427.16,7159.58 h25 r270
L67: PIN_NUMBER "1" at 7151.34,6787.4 h25 r270; PIN_NUMBER "2" at 7151.34,6841.4 h25 r270
L68: PIN_NUMBER "1" at 7231.26,7241.36 h25 r90; PIN_NUMBER "2" at 7231.26,7187.36 h25 r90
L69: PIN_NUMBER "1" at 7435.09,7121.65 h25; PIN_NUMBER "2" at 7381.09,7121.65 h25
L70: PIN_NUMBER "1" at 7429.15,7880.59 h25 r270; PIN_NUMBER "2" at 7547.27,7880.59 h25 r270
L71: PIN_NUMBER "1" at 7153.33,7508.41 h25 r270; PIN_NUMBER "2" at 7153.33,7562.41 h25 r270
L72: PIN_NUMBER "2" at 7233.25,7908.37 h25 r90; PIN_NUMBER "1" at 7233.25,7962.37 h25 r90
L73: PIN_NUMBER "1" at 7437.08,7842.66 h25; PIN_NUMBER "2" at 7383.08,7842.66 h25
L74: PIN_NUMBER "2" at 7545.27,8601.59 h25 r270; PIN_NUMBER "1" at 7427.15,8601.59 h25 r270
L75: PIN_NUMBER "1" at 7151.33,8229.41 h25 r270; PIN_NUMBER "2" at 7151.33,8283.41 h25 r270
L76: PIN_NUMBER "2" at 7231.25,8629.37 h25 r90; PIN_NUMBER "1" at 7231.25,8683.37 h25 r90
L77: PIN_NUMBER "1" at 7435.08,8563.66 h25; PIN_NUMBER "2" at 7381.08,8563.66 h25
L78: PIN_NUMBER "2" at 7545.27,9312.59 h25 r270; PIN_NUMBER "1" at 7427.15,9312.59 h25 r270
L79: PIN_NUMBER "1" at 7151.33,8940.41 h25 r270; PIN_NUMBER "2" at 7151.33,8994.41 h25 r270
L80: PIN_NUMBER "2" at 7231.25,9340.37 h25 r90; PIN_NUMBER "1" at 7231.25,9394.37 h25 r90
L81: PIN_NUMBER "1" at 7435.08,9274.66 h25; PIN_NUMBER "2" at 7381.08,9274.66 h25
LED1: PIN_NUMBER "1" at 11395.27,5796.58 h25 r90; PIN_NUMBER "2" at 11474.01,5796.58 h25 r90
LED2: PIN_NUMBER "1" at 6629.37,5540.38 h25 r180; PIN_NUMBER "2" at 6629.37,5619.12 h25 r180
LED9: PIN_NUMBER "1" at 11269.26,8908.98 h25 r270; PIN_NUMBER "2" at 11190.52,8908.98 h25 r270
R3: PIN_NUMBER "1" at 11024.35,6699.33 h25 r270; PIN_NUMBER "2" at 11024.35,6663.33 h25 r270
R4: PIN_NUMBER "1" at 10990.39,6699.33 h25 r270; PIN_NUMBER "2" at 10990.39,6663.33 h25 r270
R5: PIN_NUMBER "1" at 10956.46,6699.33 h25 r270; PIN_NUMBER "2" at 10956.46,6663.33 h25 r270
R6: PIN_NUMBER "1" at 10923.31,6699.33 h25 r270; PIN_NUMBER "2" at 10923.31,6663.33 h25 r270
R7: PIN_NUMBER "2" at 10639.04,6351.07 h25 r180; PIN_NUMBER "1" at 10603.04,6351.07 h25 r180
R8: PIN_NUMBER "1" at 11063.16,6375.01 h25 r180; PIN_NUMBER "2" at 11099.16,6375.01 h25 r180
R9: PIN_NUMBER "1" at 10537.08,6751.97 h25 r270; PIN_NUMBER "2" at 10537.08,6715.97 h25 r270
R10: PIN_NUMBER "1" at 10586.88,6751.97 h25 r270; PIN_NUMBER "2" at 10586.88,6715.97 h25 r270
R11: PIN_NUMBER "1" at 10637.36,6751.97 h25 r270; PIN_NUMBER "2" at 10637.36,6715.97 h25 r270
R12: PIN_NUMBER "1" at 10687.28,6715.97 h25 r90; PIN_NUMBER "2" at 10687.28,6751.97 h25 r90
R16: PIN_NUMBER "2" at 10733.76,5957.49 h25 r90; PIN_NUMBER "1" at 10733.76,5993.49 h25 r90
R17: PIN_NUMBER "2" at 10820.58,5958.67 h25 r90; PIN_NUMBER "1" at 10820.58,5994.67 h25 r90
R18: PIN_NUMBER "1" at 10641.85,6540.31 h25 r270; PIN_NUMBER "2" at 10641.85,6504.31 h25 r270
R19: PIN_NUMBER "2" at 10486.6,6193.03 h25; PIN_NUMBER "1" at 10450.6,6193.03 h25
R20: PIN_NUMBER "2" at 10450.6,6158.98 h25 r180; PIN_NUMBER "1" at 10486.6,6158.98 h25 r180
R36: PIN_NUMBER "2" at 10564.59,7554.47 h25; PIN_NUMBER "1" at 10600.59,7554.47 h25
R37: PIN_NUMBER "2" at 10496.46,7486.42 h25; PIN_NUMBER "1" at 10460.46,7486.42 h25
R38: PIN_NUMBER "1" at 10723.86,7525.66 h25 r180; PIN_NUMBER "2" at 10687.86,7525.66 h25 r180
R39: PIN_NUMBER "1" at 10867.28,7471.2 h25 r180; PIN_NUMBER "2" at 10831.28,7471.2 h25 r180
R40: PIN_NUMBER "2" at 10831.28,7403.01 h25 r180; PIN_NUMBER "1" at 10867.28,7403.01 h25 r180
R41: PIN_NUMBER "1" at 11090.69,7459.32 h25 r270; PIN_NUMBER "2" at 11090.69,7423.32 h25 r270
R42: PIN_NUMBER "1" at 11090.69,7495 h25 r90; PIN_NUMBER "2" at 11090.69,7531 h25 r90
R43: PIN_NUMBER "2" at 7220.66,5873.46 h25 r90; PIN_NUMBER "1" at 7220.66,5933.46 h25 r90; DIMENSION "R0603" at 7464.33,5985.46 h32 r90; DIMENSION "60.00" at 7372.16,6259.46 h25 r90; DIMENSION "1.52" at 7372.16,6105.46 h25 r90
R44: PIN_NUMBER "2" at 6947.06,5963.47 h25 r180; PIN_NUMBER "1" at 6983.06,5963.47 h25 r180
R45: PIN_NUMBER "2" at 6947.06,5864.59 h25 r180; PIN_NUMBER "1" at 6983.06,5864.59 h25 r180
R46: PIN_NUMBER "2" at 7260.22,5700.87 h25; PIN_NUMBER "1" at 7224.22,5700.87 h25
R47: PIN_NUMBER "2" at 7126.8,5795.6 h25; PIN_NUMBER "1" at 7162.8,5795.6 h25
R48: PIN_NUMBER "1" at 6982.36,5831.25 h25 r180; PIN_NUMBER "2" at 6946.36,5831.25 h25 r180
R49: PIN_NUMBER "1" at 6982.18,5793.14 h25 r180; PIN_NUMBER "2" at 6946.18,5793.14 h25 r180
R50: PIN_NUMBER "2" at 7188.13,5701.24 h25; PIN_NUMBER "1" at 7152.13,5701.24 h25
R51: PIN_NUMBER "2" at 7130.8,6327.58 h25 r180; PIN_NUMBER "1" at 7094.8,6327.58 h25 r180
R52: PIN_NUMBER "2" at 7162.8,5828.32 h25 r180; PIN_NUMBER "1" at 7126.8,5828.32 h25 r180
R53: PIN_NUMBER "1" at 6947.06,5930.51 h25; PIN_NUMBER "2" at 6983.06,5930.51 h25
R54: PIN_NUMBER "1" at 6947.06,5897.55 h25; PIN_NUMBER "2" at 6983.06,5897.55 h25
R119: PIN_NUMBER "2" at 11282.62,5583.44 h25 r270; PIN_NUMBER "1" at 11282.62,5619.44 h25 r270
R121: PIN_NUMBER "2" at 11282.62,5690.32 h25 r90; PIN_NUMBER "1" at 11282.62,5654.32 h25 r90
R123: PIN_NUMBER "2" at 7132.08,5572.4 h25 r270; PIN_NUMBER "1" at 7132.08,5608.4 h25 r270
R129: PIN_NUMBER "2" at 7165.83,5572.4 h25 r270; PIN_NUMBER "1" at 7165.83,5608.4 h25 r270
R131: PIN_NUMBER "1" at 11599.69,5796.66 h25 r180; PIN_NUMBER "2" at 11563.69,5796.66 h25 r180
R133: PIN_NUMBER "1" at 6692.8,5583.39 h25 r90; PIN_NUMBER "2" at 6692.8,5619.39 h25 r90
R137: PIN_NUMBER "1" at 11065.99,8909.38 h25; PIN_NUMBER "2" at 11101.99,8909.38 h25
R150: PIN_NUMBER "1" at 11073.4,6863.98 h25 r90; PIN_NUMBER "2" at 11073.4,6899.98 h25 r90
R151: PIN_NUMBER "1" at 11107.35,6863.98 h25 r90; PIN_NUMBER "2" at 11107.35,6899.98 h25 r90
R152: PIN_NUMBER "1" at 11039.05,6864.75 h25 r90; PIN_NUMBER "2" at 11039.05,6900.75 h25 r90
R153: PIN_NUMBER "2" at 10880.56,7044.25 h25 r180; PIN_NUMBER "1" at 10916.56,7044.25 h25 r180
R154: PIN_NUMBER "1" at 10880.56,7146.81 h25; PIN_NUMBER "2" at 10916.56,7146.81 h25
R155: PIN_NUMBER "1" at 10880.56,7112.7 h25; PIN_NUMBER "2" at 10916.56,7112.7 h25
R156: PIN_NUMBER "1" at 10880.56,7078.22 h25; PIN_NUMBER "2" at 10916.56,7078.22 h25
R157: PIN_NUMBER "1" at 11213.12,6870.92 h25 r180; PIN_NUMBER "2" at 11177.12,6870.92 h25 r180
R158: PIN_NUMBER "1" at 11286.49,6877.07 h25 r90; PIN_NUMBER "2" at 11286.49,6913.07 h25 r90
R159: PIN_NUMBER "2" at 11428.44,8882.47 h25; PIN_NUMBER "1" at 11392.44,8882.47 h25
R160: PIN_NUMBER "1" at 11047.39,8401.3 h25 r90; PIN_NUMBER "2" at 11047.39,8437.3 h25 r90
R162: PIN_NUMBER "2" at 10867.28,7437.32 h25; PIN_NUMBER "1" at 10831.28,7437.32 h25
R163: PIN_NUMBER "2" at 11027.5,7051.75 h25 r270; PIN_NUMBER "1" at 11027.5,7015.75 h25 r270
R164: PIN_NUMBER "2" at 11178.36,6255.45 h25 r270; PIN_NUMBER "1" at 11178.36,6291.45 h25 r270
R316: PIN_NUMBER "2" at 10428.75,9263.85 h25; PIN_NUMBER "1" at 10392.75,9263.85 h25
R317: PIN_NUMBER "1" at 10428.75,9230.1 h25 r180; PIN_NUMBER "2" at 10392.75,9230.1 h25 r180
R318: PIN_NUMBER "1" at 10330.91,9329.11 h25 r180; PIN_NUMBER "2" at 10294.91,9329.11 h25 r180
R319: PIN_NUMBER "2" at 10890.79,9081.31 h25; PIN_NUMBER "1" at 10854.79,9081.31 h25
R320: PIN_NUMBER "1" at 10890.79,9047.56 h25 r180; PIN_NUMBER "2" at 10854.79,9047.56 h25 r180
R323: PIN_NUMBER "2" at 10890.79,9636.06 h25; PIN_NUMBER "1" at 10854.79,9636.06 h25
R324: PIN_NUMBER "1" at 10890.79,9602.31 h25 r180; PIN_NUMBER "2" at 10854.79,9602.31 h25 r180
R325: PIN_NUMBER "1" at 10792.95,9701.32 h25 r180; PIN_NUMBER "2" at 10756.95,9701.32 h25 r180
R326: PIN_NUMBER "1" at 10720.95,9146.57 h25; PIN_NUMBER "2" at 10756.95,9146.57 h25
R1025: PIN_NUMBER "1" at 10952.4,7913.9 h25 r90; PIN_NUMBER "2" at 10952.4,7949.9 h25 r90